# Altium PCB RobotDriverPCB.PcbDoc
Units mil, origin at the board's own origin, x right, y up, seen from the top; angles counter-clockwise.
Board outline 3385.83 x 2559.55 mil, 2 copper layers (Top Layer, Bottom Layer); 111 components, 95 nets, 397 pads, 60 vias.
Unrouted connection lines stored in the file: 77.
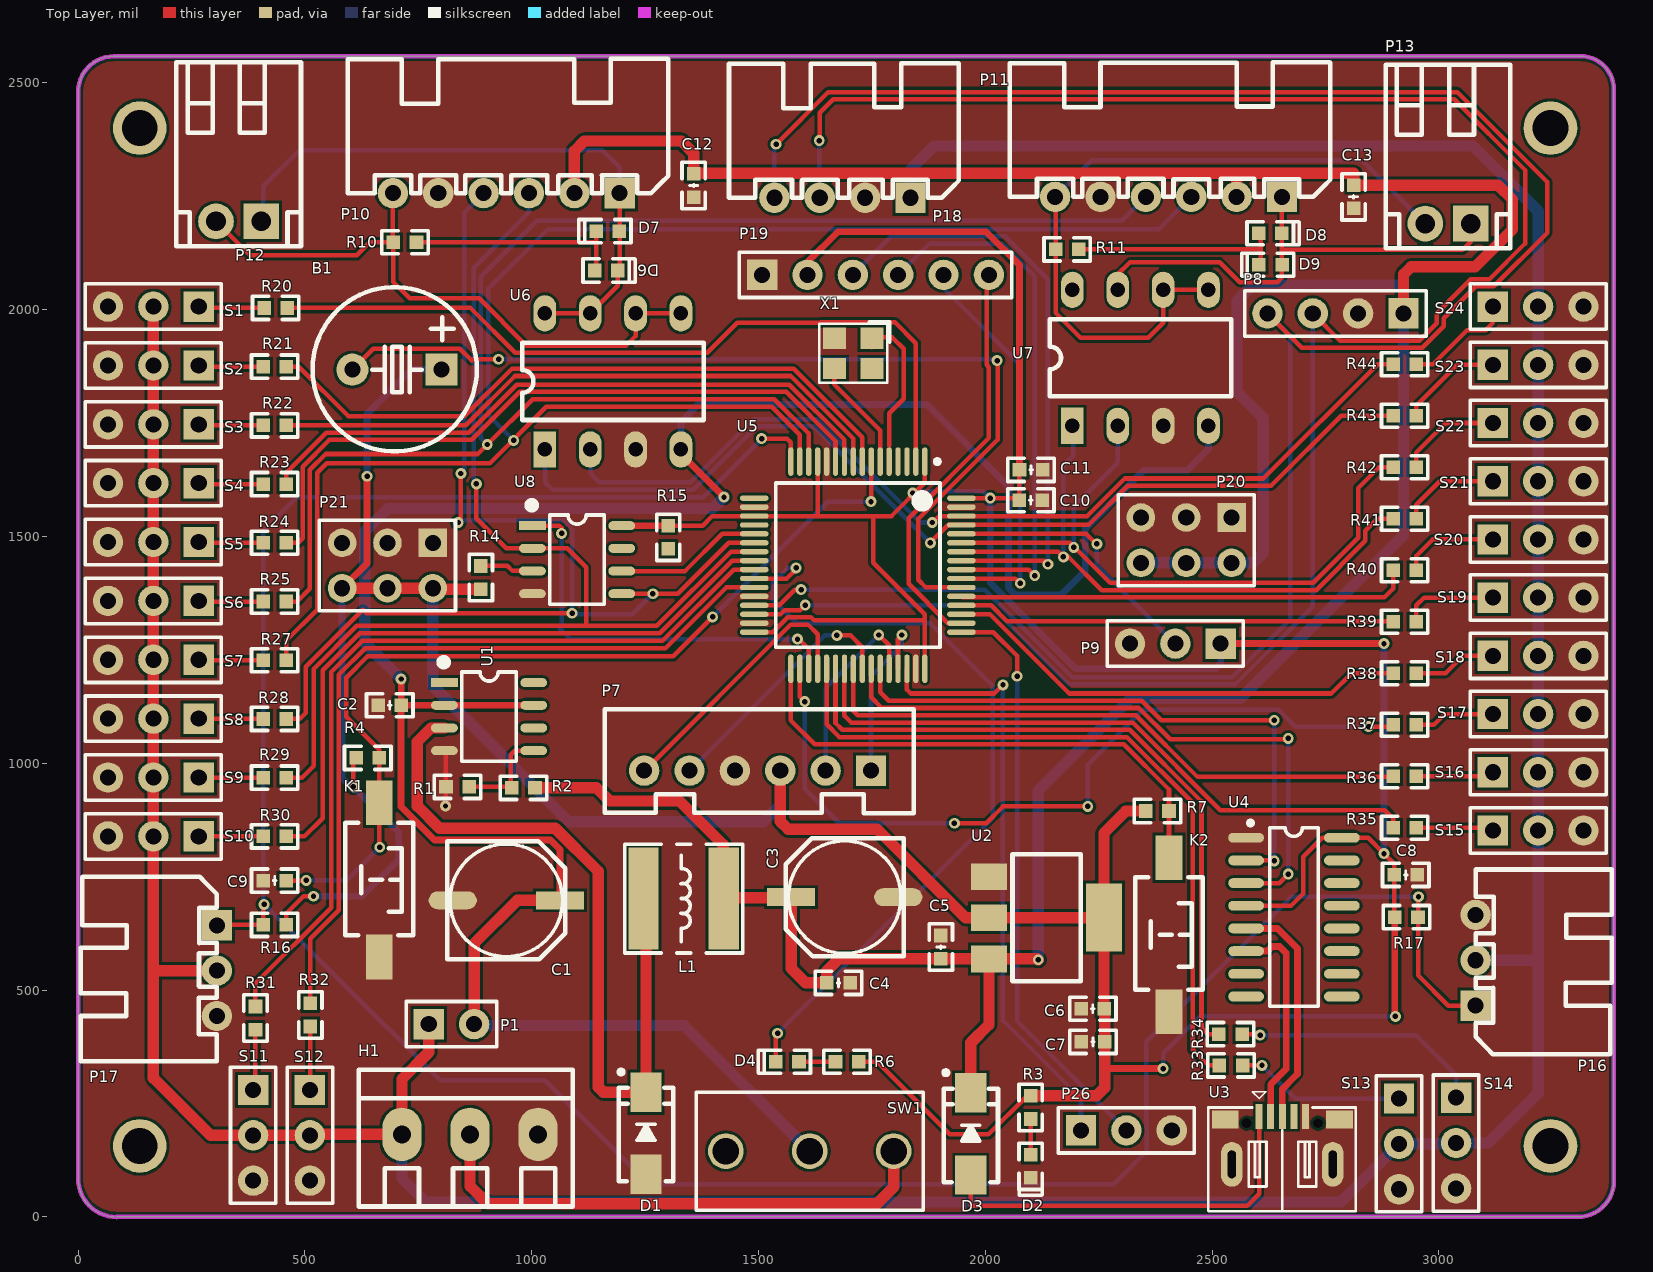
[diagram p0: Top Layer view]
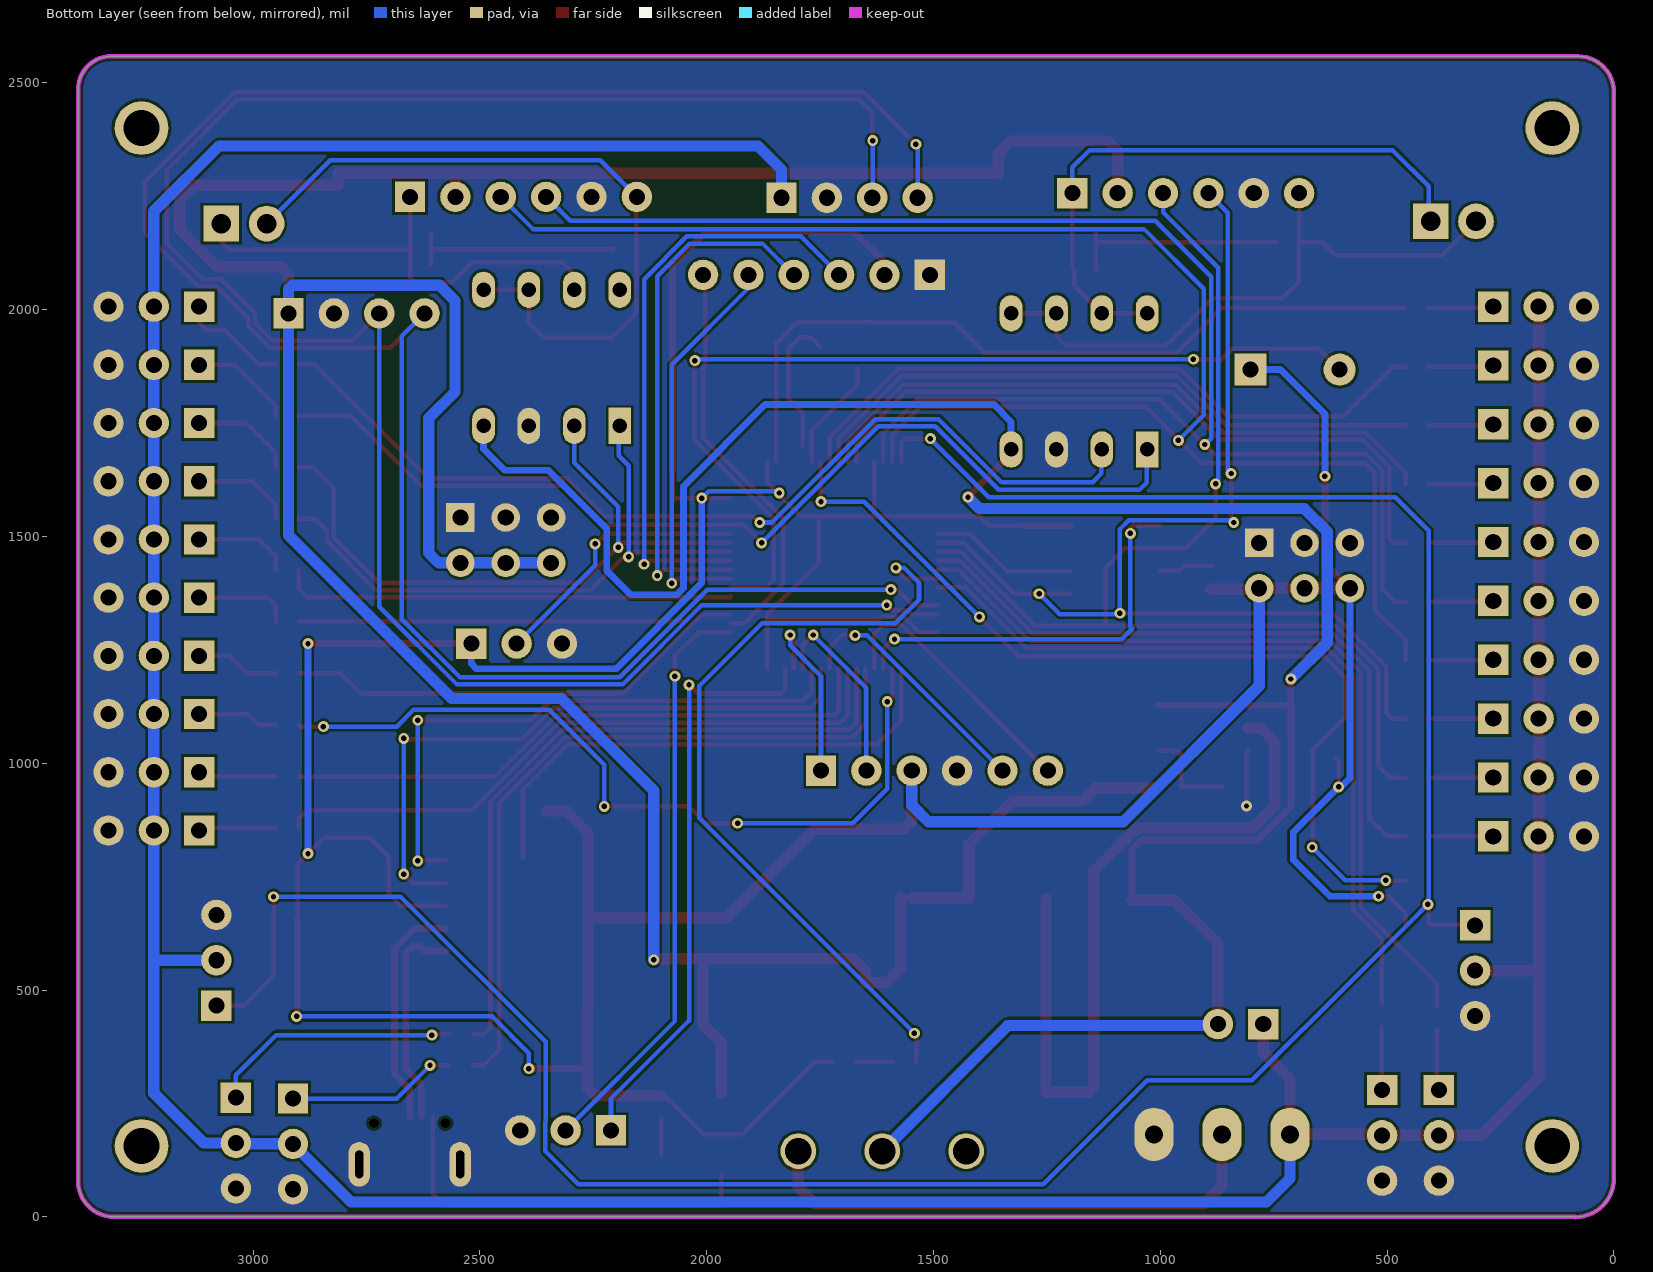
[diagram p1: Bottom Layer view, seen from below]

## Layer stack, top to bottom
Top Solder: solder mask 0.4, Solder Resist, Dk 3.5
Top Layer: signal copper 1.4
Dielectric 1: dielectric 12.6, FR-4, Dk 4.8
Bottom Layer: signal copper 1.4
Bottom Solder: solder mask 0.4, Solder Resist, Dk 3.5

## Board outline
0,84.74 0,2480.06 cw(c78.74,2480.06) 78.74,2558.8 78.74,2559.06 3312.17,2559.06 3312.17,2559.22 cw(c3312.17,2485.56) 3385.83,2485.56 3385.83,79 cw(c3307.09,79) 3307.09,0.26 3307.09,0 85.08,0 85.08,-0.34 cw(c85.08,84.74)

## Design rules (kind name [scope] priority, off if disabled: settings)
Clearance [All] p1: gap=6 ignorepadtopadclearanceinfootprint=FALSE except(0: Arc-Hole Track-Hole SMDPad-Hole THPad-Hole Via-Hole Fill-Hole Poly-Hole Region-Hole Text-Hole)
DiffPairsRouting [All] p1: maxlimit=10 minlimit=10 mostfreqgap=10 toplayer_minwidth=15 toplayer_maxwidth=15 toplayer_prefwidth=15 bottomlayer_minwidth=15 bottomlayer_maxwidth=15 bottomlayer_prefwidth=15 maxuncoupledlength=500
PlaneConnect [All] p1: planeconnectstyle=Direct reliefexpansion=20 reliefentries=4 reliefconductorwidth=10 reliefairgap=10
PolygonConnect [All] p1: connectstyle=Direct reliefconductorwidth=10 reliefentries=4 polygonreliefangle="90 Angle" airgapwidth=10
RoutingVias [All] p1: holewidth=12 width=24 viastyle="Through Hole" minholewidth=12 minwidth=24 maxholewidth=12 maxwidth=24
SolderMaskExpansion [All] p1: expansion=4
Width PWR [InNetClass('power')] p1: maxlimit=35 minlimit=10 preferedwidth=25
Width [All] p2: maxlimit=10 minlimit=10 preferedwidth=10
28 further rules are at their usual default settings.

## Classes and differential pairs
net class power: 3.3V 5V NetD1_2 NetH1_2 PWR VS
differential pair USB_CH340: +NetU3_3 -NetU3_2

## Components (designator, comment, footprint, x,y, rotation, side; value= is the part's Value field where it differs from the comment)
B1 "buzzer" "BEEP 5x9x5.5" 703,1868 r90 top
C1 "220uF_16V" "CM D(6.3*7.7)" 944,698 r0 top
C2 "104" "C 0603" 687,1128 r0 top
C3 "220uF_16V" "CM D(6.3*7.7)" 1690,705 r180 top
C4 "104" "C 0603" 1676.41,516 r180 top
C5 "104" "C 0603" 1902,595 r90 top
C6 "104" "C 0603" 2237,459 r180 top
C7 "104" "C 0603" 2237.41,386 r180 top
C8 "104" "C 0603" 2927,754 r0 top
C9 "100nF" "C 0603" 433.41,741.5 r180 top
C10 "10uF" "C 0603" 2100.41,1580 r0 top
C11 "100nF" "C 0603" 2101,1647 r0 top
C12 "0.1uF" "C 0603" 1357,2274 r270 top
C13 "0.1uF" "C 0603" 2812,2249 r270 top
D1 "SS34" SMA 1252,184.55 r90 top
D2 "LED" "LED 0603R" 2099.41,112.77 r270 top
D3 "SS34" SMA 1968,183 r90 top
D4 "LED" "LED 0603R" 1564.77,342.59 r180 top
D6 "LED" "LED 0603R" 1163,2086 r0 top
D7 "LED" "LED 0603R" 1169,2174 r180 top
D8 "LED" "LED 0603R" 2627,2168 r0 top
D9 "LED" "LED 0603R" 2630,2100 r180 top
H1 "header" KF128-3.81-3P 864,182 r0 top
K1 "key" "TSW SMD-3*6*4.3" 664,743 r270 top
K2 "key" "TSW SMD-3*6*4.3" 2405,622 r270 top
L1 "15uH" NR6045 1335,702 r0 top
P1 "header_1x2" HDR2.54-LI-2P 823,425 r0 top
P7 "PS2无线手柄" XH2.54-LI-6P 1498,984 r180 top
P8 "header_1x4" HDR2.54-LI-4P 2772,1992 r180 top
P9 "Header" HDR2.54-LI-3P 2419,1264 r180 top
P10 "XH2.54W_1X6" XH2.54-WI-6P 944,2257 r180 top
P11 "XH2.54W_1X6" XH2.54-WI-6P 2404,2249 r180 top
P12 "KF2.54_1x2" KF2EDGK-2.54-WI-2P 491.4,2545.31 r180 top
P13 "KF2.54_1x2" KF2EDGK-2.54-WI-2P 3157.4,2540.31 r180 top
P16 "Header" XH2.54-WI-3P 3081,566 r90 top
P17 "Header" XH2.54-WI-3P 306,543 r270 top
P18 "header_1x4" XH2.54-WI-4P 1685,2247 r180 top
P19 "header_1x6" HDR2.54-M-LI-6P 1758,2077 r0 top
P20 "Header2x3" HDR2.54-LI-2x3P 2443,1492 r180 top
P21 "Header2x3" HDR2.54-LI-2x3P 682,1436 r180 top
P26 "Head_1x3" HDR2.54-LI-3P 2311,191 r0 top
R1 "1K" 0603R 837.77,1013.59 r180 top
R2 "1K" 0603R 982.77,1011.59 r180 top
R3 "1K" 0603R 2034.41,242.77 r270 top
R4 "1K" 0603R 639.77,1077.59 r180 top
R6 "1K" 0603R 1696.59,407.59 r180 top
R7 "1K" 0603R 2378.23,829.41 r0 top
R10 "1K" 0603R 719.23,2083.41 r0 top
R11 "1K" 0603R 2179.41,2067.41 r0 top
R14 "1K" 0603R 953.59,1408.23 r90 top
R15 "1K" 0603R 1366.59,1497.23 r90 top
R16 "1K" 0603R 432.23,578.41 r0 top
R17 "1K" 0603R 2929.59,726.59 r180 top
R20 "1K" 0603R 434.41,1938.41 r0 top
R21 "1K" 0603R 432.23,1808.96 r0 top
R22 "1K" 0603R 432.23,1679.52 r0 top
R23 "1K" 0603R 432.23,1550.08 r0 top
R24 "1K" 0603R 432.23,1420.63 r0 top
R25 "1K" 0603R 432.23,1291.19 r0 top
R27 "1K" 0603R 432.23,1161.74 r0 top
R28 "1K" 0603R 432.23,1032.3 r0 top
R29 "1K" 0603R 432.23,902.85 r0 top
R30 "1K" 0603R 432.23,773.41 r0 top
R31 "1K" 0603R 456.59,437.23 r90 top
R32 "1K" 0603R 577.59,444.23 r90 top
R33 "1K" 0603R 2542.77,399.59 r180 top
R34 "1K" 0603R 2541.77,468.59 r180 top
R35 "1K" 0603R 2925.77,923.59 r180 top
R36 "1K" 0603R 2925.77,1037.15 r180 top
R37 "1K" 0603R 2925.77,1150.7 r180 top
R38 "1K" 0603R 2925.77,1264.26 r180 top
R39 "1K" 0603R 2925.77,1377.81 r180 top
R40 "1K" 0603R 2925.77,1491.37 r180 top
R41 "1K" 0603R 2925.77,1604.92 r180 top
R42 "1K" 0603R 2925.77,1718.48 r180 top
R43 "1K" 0603R 2925.77,1832.03 r180 top
R44 "1K" 0603R 2925.77,1945.59 r180 top
S1 "Header" HDR2.54-LI-3P 166,2007 r180 top
S2 "Header" HDR2.54-LI-3P 166,1877.22 r180 top
S3 "Header" HDR2.54-LI-3P 166,1747.44 r180 top
S4 "Header" HDR2.54-LI-3P 166,1617.67 r180 top
S5 "Header" HDR2.54-LI-3P 166,1487.89 r180 top
S6 "Header" HDR2.54-LI-3P 166,1358.11 r180 top
S7 "Header" HDR2.54-LI-3P 166,1228.33 r180 top
S8 "Header" HDR2.54-LI-3P 166,1098.56 r180 top
S9 "Header" HDR2.54-LI-3P 166,968.78 r180 top
S10 "Header" HDR2.54-LI-3P 166,839 r180 top
S11 "Header" HDR2.54-LI-3P 386,180 r270 top
S12 "Header" HDR2.54-LI-3P 511,180 r270 top
S13 "Header" HDR2.54-LI-3P 2912,161 r270 top
S14 "Header" HDR2.54-LI-3P 3038,163 r270 top
S15 "Header" HDR2.54-LI-3P 3218.94,852 r0 top
S16 "Header" HDR2.54-LI-3P 3218.94,980.33 r0 top
S17 "Header" HDR2.54-LI-3P 3218.94,1108.67 r0 top
S18 "Header" HDR2.54-LI-3P 3218.94,1237 r0 top
S19 "Header" HDR2.54-LI-3P 3218.94,1365.33 r0 top
S20 "Header" HDR2.54-LI-3P 3218.94,1493.67 r0 top
S21 "Header" HDR2.54-LI-3P 3218.94,1622 r0 top
S22 "Header" HDR2.54-LI-3P 3218.94,1750.33 r0 top
S23 "Header" HDR2.54-LI-3P 3218.94,1878.67 r0 top
S24 "Header" HDR2.54-LI-3P 3218.94,2007 r0 top
SW1 "Switch" SS12D10 1862.96,274.92 r180 top
U1 "TD1583" SOP8 906,1103 r0 top
U2 "AMS1117-3.3" SOT-223 2138,662 r270 top
U3 "microUSB" USB-MICRO_B 2654.78,116.22 r0 top
U4 "CH340C" SOP16 2680,661 r0 top
U5 "STM32f103RCT6" LQFP_64 1719,1437 r270 top
U6 "RZ7886" DIP8 1029,1692 r90 top
U7 "RZ7886" DIP8 2192,1744 r90 top
U8 "GD25Q80" SOP8 1100,1449 r0 top
X1 "8Mhz" "OSC 3225-4P" 1709,1904 r180 top

## Footprints (in the part's own frame and the unit in brackets; to place one, negate y for a bottom-side part, rotate by r counter-clockwise, add the part's x,y. Pads: shape width x height; smd on the part's side, far side on the other; paste and mask are expansions set on the pad)
0603R [mil]
  rect 30x30 smd: 1(-24.41,65.59) 2(26.77,65.59)
  silkscreen extent -50,40 52,91, body extent -31,49 32,81, height 18
"BEEP 5x9x5.5" [mm] "5*9*5.5mm(脚距,直径,高度)"
  rect 1.8x1.8 hole 0.9: 1(0,-2.5)
  round 1.8 hole 0.9: 2(0,2.5)
  silkscreen extent -4.57,-4.47 4.62,4.73, body extent -4.57,-5.01 4.43,3.99, height 5.45
"C 0603" [mil] "无极性贴片电容"
  rect 30x30 smd: 1(-25.59,0) 2(25.59,0)
  silkscreen extent -51,-26 51,26, body extent -31,-16 31,16, height 32
"CM D(6.3*7.7)" [mm] "贴片电解电容，直径6.3mm，高7.7mm  黑色部分为负极(2号管脚)"
  rect 2.7x1 smd: 1(3,0)
  oval 2.7x1 smd: 2(-3,0)
  silkscreen extent -3.3,-3.3 3.3,3.3, body extent -3.5,-3.3 3.5,3.3, height 7.7
DIP8 [mil] "8脚300mil直插集成电路（蒜米工坊）"
  rect 80x50 hole 32: 1(0,0)
  oval 80x50 hole 32: 2(0,-100) 3(0,-200) 4(0,-300) 5(300,-300) 6(300,-200) 7(300,-100) 8(300,0)
  silkscreen extent 65,-350 235,50, body extent -3,-363 303,63, height 177
HDR2.54-LI-2P [mm] "排针，2脚"
  rect 1.7x1.7 hole 0.9: 1(-1.27,0)
  round 1.7 hole 0.9: 2(1.27,0)
  silkscreen extent -2.54,-1.27 2.54,1.27, body extent -2.54,-1.27 2.54,1.27, height 8.5
HDR2.54-LI-2x3P [mm] "双排排针，3x2脚"
  rect 1.6x1.6 hole 0.9: 1(-2.54,-1.27)
  round 1.6 hole 0.9: 2(0,-1.27) 3(2.54,-1.27) 4(-2.54,1.27) 5(0,1.27) 6(2.54,1.27)
  silkscreen extent -3.81,-2.54 3.81,2.54, body extent -3.81,-2.54 3.81,2.54, height 8.5
HDR2.54-LI-3P [mm] "排针，3脚"
  rect 1.7x1.7 hole 0.9: 1(-2.54,0)
  round 1.7 hole 0.9: 2(0,0) 3(2.54,0)
  silkscreen extent -3.81,-1.27 3.81,1.27, body extent -3.81,-1.27 3.81,1.27, height 8.5
HDR2.54-LI-4P [mm] "排针，4脚"
  rect 1.7x1.7 hole 0.9: 1(-3.81,0)
  round 1.7 hole 0.9: 2(-1.27,0) 3(1.27,0) 4(3.81,0)
  silkscreen extent -5.08,-1.27 5.08,1.27, body extent -5.08,-1.27 5.08,1.27, height 8.5
HDR2.54-M-LI-6P [mm] "排母，6脚"
  rect 1.7x1.7 hole 0.9: 1(-6.35,0)
  round 1.7 hole 0.9: 2(-3.81,0) 3(-1.27,0) 4(1.27,0) 5(3.81,0) 6(6.35,0)
  silkscreen extent -7.62,-1.27 7.62,1.27, body extent -7.62,-1.27 7.62,1.27, height 8.5
KF2EDGK-2.54-WI-2P [mm] "长：6.93mm，宽：10.1mm，高：8.1mm"
  rect 2x2 hole 1.1: 1(2.22,8.898)
  round 2 hole 1.1: 2(4.76,8.898)
  silkscreen extent 0,0 6.98,10.28, body extent 0,0 6.98,10.1, height 8.15
KF128-3.81-3P [mm] "螺钉式接线端子，脚距3.81mm"
  oval 2.2x3 hole 1: 1(-3.81,0) 2(0,0) 3(3.81,0)
  silkscreen extent -6.22,-4.04 5.74,3.63, body extent -6.21,-3.9 5.72,3.5, height 8.55
"LED 0603R" [mil] "红色0603LED"
  rect 30x30 smd: 1(-24.41,0.59) 2(26.77,0.59)
  silkscreen extent -50,-25 65,26, body extent -31,-16 31,16, height 18
LQFP_64 [mm] "LQFP, 64-Leads, Body 10.00x10.00mm, Pitch 0.50mm"
  oval 1.6x0.3 smd: 1(-5.8,3.75) 2(-5.8,3.25) 3(-5.8,2.75) 4(-5.8,2.25) 5(-5.8,1.75) 6(-5.8,1.25) 7(-5.8,0.75) 8(-5.8,0.25) 9(-5.8,-0.25) 10(-5.8,-0.75) 11(-5.8,-1.25) 12(-5.8,-1.75) 13(-5.8,-2.25) 14(-5.8,-2.75) 15(-5.8,-3.25) 16(-5.8,-3.75) 33(5.8,-3.75) 34(5.8,-3.25) 35(5.8,-2.75) 36(5.8,-2.25) 37(5.8,-1.75) 38(5.8,-1.25) 39(5.8,-0.75) 40(5.8,-0.25) 41(5.8,0.25) 42(5.8,0.75) 43(5.8,1.25) 44(5.8,1.75) 45(5.8,2.25) 46(5.8,2.75) 47(5.8,3.25) 48(5.8,3.75)
  oval 0.3x1.6 smd: 17(-3.75,-5.8) 18(-3.25,-5.8) 19(-2.75,-5.8) 20(-2.25,-5.8) 21(-1.75,-5.8) 22(-1.25,-5.8) 23(-0.75,-5.8) 24(-0.25,-5.8) 25(0.25,-5.8) 26(0.75,-5.8) 27(1.25,-5.8) 28(1.75,-5.8) 29(2.25,-5.8) 30(2.75,-5.8) 31(3.25,-5.8) 32(3.75,-5.8) 49(3.75,5.8) 50(3.25,5.8) 51(2.75,5.8) 52(2.25,5.8) 53(1.75,5.8) 54(1.25,5.8) 55(0.75,5.8) 56(0.25,5.8) 57(-0.25,5.8) 58(-0.75,5.8) 59(-1.25,5.8) 60(-1.75,5.8) 61(-2.25,5.8) 62(-2.75,5.8) 63(-3.25,5.8) 64(-3.75,5.8)
  silkscreen extent -5.92,-4.6 4.6,4.6, body extent -6,-6 6,6, height 1.6
NR6045 [mm] "6.0mm*6.0mm*4.5mm(长*宽*高）"
  rect 1.7x5.7 smd: 1(-2.25,0) 2(2.25,0)
  silkscreen extent -3.3,-3.05 3.3,3.05, body extent -3,-3 3,3, height 4.6
"OSC 3225-4P" [mm] "3.2*2.5*0.7mm(长宽高)"
  rect 1.3x1.2 smd: 1(-1.05,-0.85) 2(1.05,-0.85) 3(1.05,0.85) 4(-1.05,0.85)
  silkscreen extent -2.03,-1.75 1.91,1.65, body extent -1.6,-1.25 1.6,1.25, height 0.7
SMA [mm] "4.5x2.6*2.2mm（长宽高，不包括引脚）"
  rect 2.2x1.75 smd: 1(-2.3,0) 2(2.3,0)
  silkscreen extent -2.7,-1.52 3.56,1.52, body extent -2.53,-1.3 2.58,1.3, height 2.15
SOP8 [mm] "5*6*1.8mm（长宽高）"
  rect 1.5x0.5 smd: 1(-2.5,1.905)
  oval 1.5x0.5 smd: 2(-2.5,0.635) 3(-2.5,-0.635) 4(-2.5,-1.905) 5(2.5,-1.905) 6(2.5,-0.635) 7(2.5,0.635) 8(2.5,1.905)
  silkscreen extent -2.69,-2.5 1.52,3.2, body extent -3,-2.5 3,2.5, height 1.9
SOP16 [mm] "（蒜米工坊）"
  oval 2x0.55 smd: 1(-2.667,4.445) 2(-2.667,3.175) 3(-2.667,1.905) 4(-2.667,0.635) 5(-2.667,-0.635) 6(-2.667,-1.905) 7(-2.667,-3.175) 8(-2.667,-4.445) 9(2.692,-4.445) 10(2.692,-3.175) 11(2.692,-1.905) 12(2.692,-0.635) 13(2.692,0.635) 14(2.692,1.905) 15(2.692,3.175) 16(2.692,4.445)
  silkscreen extent -2.55,-5 1.37,5.39, body extent -2.92,-4.99 2.98,4.99, height 1.45
SOT-223 [mil]
  rect 59x79 smd: 1(-88,-130) 2(2.55,-130) 3(93.1,-130)
  rect 150x79 smd: 2(1.88,123.54)
  silkscreen extent -137,-78 143,72, body extent -126,-139 130,135, height 67
SS12D10 [mm]
  round 2 hole 1.5 unplated: 1(1.649,3.3) 2(6.349,3.3) 3(11.049,3.3)
  silkscreen extent 0,0 12.7,6.6
"TSW SMD-3*6*4.3" [mm] "3*6*4.3mm"
  rect 2.5x1.5 smd: 1(-4.318,0) 2(4.318,0)
  silkscreen extent -3.21,-1.9 3.09,1.9, body extent -4.6,-1.75 4.6,1.75, height 4.4
USB-MICRO_B [mm] "micro型USB ，5.9*8.2*2.5mm"
  round 0 hole 0.55 unplated: 0(-2,2.294) 0(2,2.294)
  rect 0.394x1.4 smd: 1(-1.295,2.667) 2(-0.648,2.667) 3(0,2.667) 4(0.648,2.667) 5(1.295,2.667)
  rect 1.5x1 smd: 5(-3.2,2.5) 5(3.2,2.5)
  oval 1.2x2.5 hole 0.45 slot 1.55 at 90 deg: 5(-2.825,-0.006) 5(2.825,-0.006)
  silkscreen extent -4.14,-2.63 4.11,4.06, body extent -4,-2.72 4,2.88, height 2.8
XH2.54-LI-6P [mm] "接插件，6P"
  rect 1.7x1.7 hole 0.9: 1(-6.35,0)
  round 1.7 hole 0.9: 2(-3.81,0) 3(-1.27,0) 4(1.27,0) 5(3.81,0) 6(6.35,0)
  silkscreen extent -8.74,-3.43 8.56,2.39, body extent -8.85,-3.3 8.85,2.4, height 7.03
XH2.54-WI-3P [mm] "接插件，3P"
  rect 1.7x1.7 hole 0.9: 1(-2.54,0)
  round 1.7 hole 0.9: 2(0,0) 3(2.54,0)
  silkscreen extent -5.26,-7.62 5.08,0, body extent -5.04,-7.35 5.04,0.35, height 5.73
XH2.54-WI-4P [mm] "接插件，4P"
  rect 1.7x1.7 hole 0.9: 1(-3.81,0)
  round 1.7 hole 0.9: 2(-1.27,0) 3(1.27,0) 4(3.81,0)
  silkscreen extent -6.53,-7.53 6.35,0, body extent -6.31,-7.35 6.31,0.35, height 5.73
XH2.54-WI-6P [mm] "接插件，6P"
  rect 1.7x1.7 hole 0.9: 1(-6.35,0)
  round 1.7 hole 0.9: 2(-3.81,0) 3(-1.27,0) 4(1.27,0) 5(3.81,0) 6(6.35,0)
  silkscreen extent -9.07,-7.53 8.89,0, body extent -8.85,-7.35 8.85,0.35, height 5.75

## Part data
C1 C3: library part CAP_220uF_16V
C2 C4 C5 C6 C7 C8 C9 C10 C11 C12 C13: library part C_0603
H1: library part PowerHead
L1: library part L_6045
P7: library part xh2.54_1x6
P9 P16 P17 S1 S2 S3 S4 S5 S6 S7 S8 S9 S10 S11 S12 S13 S14 S15 S16 S17 S18 S19 S20 S21 S22 S23 S24: library part header_1x3
R1 R2 R3 R4 R6 R7 R10 R11 R14 R15 R16 R17 R20 R21 R22 R23 R24 R25 R27 R28 R29 R30 R31 R32 R33 R34 R35 R36 R37 R38 R39 R40 R41 R42 R43 R44: library part R_0603
SW1: library part SS12D10
U3: library part MicroUSB_B
U8: library part flash
X1: library part XTAL

## Free pads (board coordinates)
  round 118.11 hole 78.74: 1(135.8,156.48) 2(135.8,2400.57) 2(3246.03,2400.57) 4(3246.03,156.48)

## Via types
v1: diameter 24, hole 12, Top Layer to Bottom Layer, 60 vias

## Nets (pads, with @x,y where several pads share a name; then routed paths per layer and width w, separated by ;. In a path a pad name is that pad's centre, name@x,y a point inside that pad or via, vN(x,y) a via of type N, cw(c..) or ccw(c..) an arc to the next point about the centre after c; other vN are vias at no path point)
3.3V: B1.1 C6.1 C7.1 C8.1 C10.1 C11.1 P7.3 P9.1 P19.2 P21.4 P21.5 P21.6 R3.1 R4.2 R6.1 R7.1 R14.1 R15.2 R16.2 R17.2 U2.2 U4.4 U4.16 U5.1 U5.13 U5.19 U5.32 U5.48 U5.64 U8.8 | length 11574
  Top Layer w10: R16.2 459,669 497,707 v1(519,707) ; v1(607,948) 607,1006 R4.2 ; R15.2 1377,1524 1398.27,1545.27 U5.19 1627,1545.27 ; U5.32 1531.73,1289.36 1564.37,1322 1615.63,1322 1622.63,1315 1866.64,1315 ; U5.13 1630.42,1548.69 1627,1545.27 ; R6.1 1762,342 1922,182 2007,182 2092.18,267.18 R3.1 ; U5.48 1866.64,1315 ; U5.1 1866.64,1618.64 1793.27,1545.27 1753,1545.27 ; U5.64 v1(2011,1584.64) 2070.18,1584.64 C10.1 2074.82,1646.41 C11.1 ; U4.4 2674,686 2701,713 2701,794 2743,836 U4.16 2844,836 v1(2879,801) 2901.41,778.59 C8.1 R17.2@2901.41,665.59 ; 1627,1545.27 1753,1545.27 ; 1753,1545.27 1753,1442 1866.64,1328.36 1866.64,1315
  Top Layer w15: P21.6 637,1441 637,1512.63 v1(637,1633) ; U8.8 R15.2 ; P19.2 1608,2105 1675,2172 2002,2172 2075.41,2098.59 C11.1 ; 2263,327 v1(2392,327) ; P9.1 2526,1257 2536,1267 2539,1264 v1(2879,1264) ; R17.2 2902.82,443.18 v1(2904,442)
  Top Layer w25: P21.6 P21.5 P21.4 ; P21.4@791,1384 R14.1@889,1384 ; P7.3 1548,872 1565,855 1761,855 1956.55,659.45 2008,659.45 2260.88,659.45 U2.2@2261.54,660.12 ; R3.1 2245.18,267.18 2263,285 2263,327 C7.1 2263,458.6 C6.1 2261.54,460.05 U2.2@2261.54,660.12 ; R7.1 2310,895 2261.54,846.54 U2.2@2261.54,660.12
  Bottom Layer w10: v1(1840,1596) 1844,1600 1995.64,1600 v1(2011,1584.64) ; v1(2392,327) 2392,361 2473,442 v1(2904,442)
  Bottom Layer w15: v1(519,707) 626,707 707,788 707,848 v1(607,948) 602,948 582,968 P21.6 ; v1(637,1633) 637,1770 735,1868 B1.1 ; v1(2011,1584.64) 2011,1397.24 2199.74,1208.5 2507.5,1208.5 2519,1220 P9.1 ; v1(2879,801) v1(2879,1264)
  Bottom Layer w25: P21.4 782,1171.18 1082.18,871 1511,871 1548,908 P7.3
5V: C3.1 C4.2 C5.1 C12.1 C13.1 D3.2 L1.2 P8.1 P10.2 P11.2 P20.4 P20.5 P20.6 R2.1 U2.3 | length 7719.2
  Top Layer w25: R2.1 1143,946 1172,917 1326,917 1422,821 1422,704 1545.89,704 C3.1@1546.89,703 ; P10.2 1094,2350 1116,2372 1330,2372 1357,2345 C12.1@1357,2300.96 ; C12.1 C12.1@1357,2300.96 ; C3.1 1571.89,548.11 1604,516 C4.2 1650.82,542.82 1677.41,569.41 C5.1 2007.49,569.41 U2.3 ; D3.2 1968,384 2008,424 U2.3 ; v1(2116.8,567) 2114.9,568.9 U2.3 ; P11.2 2554,2300.96 C12.1@1357,2300.96 ; 2558,2301 2812,2301 C13.1 3130.41,2274.59 3162,2243 3162,2177 3079.5,2094.5 2938.5,2094.5 2922,2078 P8.1
  Bottom Layer w25: v1(2116.8,567) 2116.8,939.8 2320,1143 2562,1143 2922,1503 P8.1 2922,2045 2913,2054 2589,2054 2555,2020 2555,1819 2613,1761 2613,1464 2591,1442 P20.4 P20.5 P20.6
BOOT0: P9.2 U5.60 | length 599.4
  Top Layer w10: U5.60 2222.1,1505.9 2244,1484 v1(2246,1484)
  Bottom Layer w10: v1(2246,1484) 2246,1437 P9.2
GND: C1.2 C2.1 C3.2 C4.1 C5.2 C6.2 C7.2 C8.2 C9.2 C10.2 C11.2 C12.2 C13.2 D1.1 D2.2 H1.3 K1.2 K2.2 P7.4 P8.2 P9.3 P10.5 P11.5 P16.3 P17.3 P18.2 P19.1 P20.1 P20.2 P20.3 P21.1 P21.2 P21.3 P26.3 R1.2 S1.3 S2.3 S3.3 S4.3 S5.3 S6.3 S7.3 S8.3 S9.3 S10.3 S11.3 S12.3 S13.3 S14.3 S15.3 S16.3 S17.3 S18.3 S19.3 S20.3 S21.3 S22.3 S23.3 S24.3 U1.4 U2.1 U3.5 U4.1 U5.12 U5.18 U5.28 U5.31 U5.47 U5.63 U6.3 U7.3 U8.4 X1.2 | length 123.8
  Top Layer w10: U1.4 811,1024.57 R1.2 811,907 v1(810,906)
NetD1_2: D1.2 L1.1 U1.3 | length 1685.1
  Top Layer w25: U1.3 778,1078 748,1048 748,905.77 796.77,857 1051.77,857 1147,761.77 1147,286 1157.9,275.1 D1.2 L1.1@1252,702
NetD2_1: D2.1 R3.2 | length 78.8
  Top Layer w10: D2.1 R3.2
NetD3_1: D3.1 U3.1 | length 884.3
  Top Layer w10: D3.1 1968,25 2578,25 2603.78,50.78 U3.1
NetD4_1: D4.1 R6.2 | length 80.6
  Top Layer w10: D4.1 R6.2
NetD6_1: D6.1 D7.2 R10.2 | length 485.6
  Top Layer w10: R10.2 1142.23,2149 ; D6.1 1142.23,2090.23 1142.23,2149 ; D7.2 1142.23,2149.77 1143,2149 1142.23,2149
NetD8_1: D8.1 D9.2 R11.2 | length 471.1
  Top Layer w10: R11.2 2607.59,2133 ; D8.1@2607.59,2169.59 2607.59,2133 ; D9.2@2607.82,2100 2607.59,2100.23 2607.59,2133
NetH1_2: H1.2 SW1.1 | length 1158.5
  Top Layer w25: H1.2 864,68 903,29 1761,29 1798.04,66.04 SW1.1
NetR1_1: R1.1 R2.2 U1.5 | length 217
  Top Layer w10: R1.1 954,948 954,1019 963,1028 U1.5
NetR14_2: R14.2 U8.3 | length 121.5
  Top Layer w10: R14.2@885,1436 946,1436 957.82,1424.18 1001.39,1424.18 U8.3
NetR15_1: R15.1 U8.7
NetR20_1: R20.1 S1.1 | length 145.2
  Top Layer w10: S1.1 269,2004 R20.1
NetR21_1: R21.1 S2.1 | length 142.9
  Top Layer w10: S2.1 268.67,1874.56 R21.1
NetR22_1: R22.1 S3.1 | length 142.8
  Top Layer w10: S3.1 268.33,1745.11 R22.1
NetR23_1: R23.1 S4.1 | length 142.6
  Top Layer w10: S4.1 268,1615.67 R23.1
NetR24_1: R24.1 S5.1 | length 142.5
  Top Layer w10: S5.1 267.67,1486.22 R24.1
NetR25_1: R25.1 S6.1 | length 142.4
  Top Layer w10: S6.1 267.33,1356.78 R25.1
NetR27_1: R27.1 S7.1 | length 142.2
  Top Layer w10: S7.1 267,1227.33 R27.1
NetR28_1: R28.1 S8.1 | length 142.1
  Top Layer w10: S8.1 266.67,1097.89 R28.1
NetR29_1: R29.1 S9.1 | length 142
  Top Layer w10: S9.1 266.33,968.44 R29.1
NetR30_1: R30.1 S10.1 | length 141.8
  Top Layer w10: S10.1 R30.1
NetR31_1: R31.1 S11.1 | length 134.9
  Top Layer w10: S11.1 391,285 R31.1
NetR32_1: R32.1 S12.1 | length 140.2
  Top Layer w10: S12.1 512,281 R32.1
NetR33_1: R33.1 S13.1 | length 375.1
  Top Layer w10: R33.1 v1(2610,334)
  Bottom Layer w10: v1(2610,334) 2683,261 S13.1
NetR34_1: R34.1 S14.1 | length 558.5
  Top Layer w10: R34.1 2604,403 v1(2606,401)
  Bottom Layer w10: v1(2606,401) 2949,401 3038,312 S14.1
NetR35_1: R35.1 S15.1 | length 171.2
  Top Layer w10: R35.1 3112.94,858 S15.1
NetR36_1: R36.1 S16.1 | length 172.4
  Top Layer w10: R36.1 3110.16,971.56 S16.1
NetR37_1: R37.1 S17.1 | length 178.5
  Top Layer w10: R37.1 2989.11,1085.11 3012.67,1108.67 S17.1
NetR38_1: R38.1 S18.1 | length 184.6
  Top Layer w10: R38.1 3014.67,1198.67 3053,1237 S18.1
NetR39_1: R39.1 S19.1 | length 211.8
  Top Layer w10: R39.1 2950.18,1348.18 2967.33,1365.33 S19.1
NetR40_1: R40.1 S20.1 | length 215.3
  Top Layer w10: R40.1 2950.18,1457.18 2986.67,1493.67 S20.1
NetR41_1: R41.1 S21.1 | length 221.1
  Top Layer w10: R41.1 2950.18,1570.18 3002,1622 S21.1
NetR42_1: R42.1 S22.1 | length 228
  Top Layer w10: R42.1 2950.18,1685.18 3015.33,1750.33 S22.1
NetR43_1: R43.1 S23.1 | length 228
  Top Layer w10: R43.1 2950.18,1788.18 3040.67,1878.67 S23.1
NetR44_1: R44.1 S24.1 | length 242.5
  Top Layer w10: R44.1 2987,1880 3062,1955 3103,1955 3118.94,1970.94 S24.1
NetU3_2: U3.2 U4.6 | length 473
  Top Layer w15: U4.6 2621.87,586 2631.87,596 2649,596 2663.32,581.68 2663.32,325.68 2629.28,291.63 U3.2
NetU3_3: U3.3 U4.5 | length 516.2
  Top Layer w15: U4.5 2644.36,636 2681,599.36 2688.32,592.03 2688.32,315.32 2681,308 2654.78,281.78 U3.3
OSCIN: U5.5 X1.1 | length 316.9
  Top Layer w10: X1.1@1749.34,1917.46 1770.87,1939 1795,1939 1820,1914 1820,1804 1787.9,1771.9 1787.9,1700.35
OSCOUT: U5.6 X1.3 | length 247.3
  Top Layer w10: X1.3@1666.66,1870.54 1666.66,1835.34 1768.21,1733.79 U5.6
PA0: P11.4 R25.2 U5.14 | length 3498.2
  Top Layer w10: R25.2 482.78,1356.78 511,1385 511,1647.37 545.63,1682 881,1682 v1(902,1703) 1002,1803 1535,1803 1610.73,1727.27 U5.14
  Bottom Layer w10: v1(902,1703) 888,1717 888,2073 1011,2196 2301,2196 P11.4
PA1: P11.3 R27.2 U5.15 | length 3641.6
  Top Layer w10: R27.2 459,1271 527,1339 527,1640.75 548.25,1662 908,1662 1032,1786 1529.37,1786 1591.05,1724.33 U5.15
  Bottom Layer w10: v1(960,1712) 904,1768 904,2046 1036,2178 2383,2178 P11.3
PA4: U5.20
PA6: P10.4 R28.2 U5.22 U8.5 | length 2528.8
  Top Layer w10: R28.2 488.89,1097.89 502,1111 502,1213.25 627.75,1339 635.75,1331 v1(1089,1331) ; v1(838,1531) 844,1537 v1(844,1639) ; U8.5 v1(1267,1374) 1322,1374 1434.21,1486.21 U5.22
  Bottom Layer w10: v1(838,1531) 843,1536 1069.53,1536 1089,1516.53 v1@1089,1340 ; v1(844,1639) 851,1646 851,2214 P10.4 ; v1(1089,1331) v1@1089,1340 ; v1(1267,1374) 1222,1329 1100,1329 v1@1089,1340
PA7: P10.3 R29.2 U5.23 U8.2 | length 2548.9
  Top Layer w10: R29.2 493.44,968.44 520,995 520,1208.63 614.37,1303 1120,1303 ; v1(878,1616) 878,1540 944,1474 U8.2 1078,1474 1120,1432 1120,1303 ; U5.23 1439.53,1466.53 1276,1303 1120,1303
  Bottom Layer w10: v1(878,1616) 872,1622 872,2093 994,2215 P10.3
PA8: P7.5 U5.41 | length 562.5
  Top Layer w10: v1(1673,1282) 1703,1282 1728.84,1256.16 U5.41
  Bottom Layer w10: P7.5 1646,1282 v1(1673,1282)
PA9: U4.3 U5.42 | length 1422.1
  Top Layer w10: U5.42 1748.53,1145.47 1772,1122 2338.63,1122 2407.63,1053 2666,1053 v1(2668,1055) ; U4.3 2648,736 v1(2668,756)
  Bottom Layer w10: v1(2668,756) v1(2668,1055)
PA10: U4.2 U5.43 | length 1328.2
  Top Layer w10: U5.43 1768.21,1156.79 1787,1138 2345.25,1138 2388.25,1095 v1(2637,1095) ; U4.2 v1@2637,786 ; v1@2627,785 v1(2637,785)
  Bottom Layer w10: v1(2637,785) v1(2637,1095)
PA11: P7.2 U5.44 | length 431.3
  Top Layer w10: v1(1765,1283) 1787.9,1260.1 U5.44
  Bottom Layer w10: P7.2 1648,1166 v1(1765,1283)
PA12: P7.1 U5.45 | length 405
  Top Layer w10: U5.45 1807.58,1274.58 v1(1816,1283)
  Bottom Layer w10: P7.1 1748,1192 1816,1260 v1(1816,1283)
PA13: P26.1 U5.46 | length 1322.4
  Top Layer w10: U5.46 1827.27,1162.73 1836,1154 2020,1154 v1(2039,1173)
  Bottom Layer w10: v1(2039,1173) 2039,433 2211,261 P26.1
PA14: P26.2 U5.49 | length 1290.2
  Top Layer w10: U5.49 2017.64,1289.36 2070,1237 v1(2070,1192)
  Bottom Layer w10: v1(2070,1192) 2070,432 P26.2
PA15: P19.6 U5.50 | length 911.1
  Top Layer w10: U5.50 1917.53,1309.05 1831,1395.58 1831,1540.42 2008,1717.42 2008,1873.47 2003,1878.47 2003,2072 P19.6
PB0: D4.2 U5.26 | length 1795.2
  Top Layer w10: U5.26 1562.47,1407.47 1583,1428 v1(1583,1431) ; D4.2 1538,401 v1(1542,405)
  Bottom Layer w10: v1(1542,405) 2016,879 2016,1171 1878,1309 1584,1309 1532,1361 1532,1398 1565,1431 v1(1583,1431)
PB1: R32.2 U5.27 | length 1746
  Top Layer w10: R32.2 512,613.37 575,676.37 575,1195.75 633.25,1254 1294.88,1254 1428.67,1387.79 U5.27
PB3: P19.5 U5.55 | length 884
  Top Layer w10: U5.55 2066.53,1407.47 v1(2077,1397)
  Bottom Layer w10: P19.5 1908,2048 2077,1879 v1(2077,1397)
PB4: P19.4 U5.56 | length 1186.5
  Top Layer w10: U5.56 2095.84,1427.16 v1(2109,1414)
  Bottom Layer w10: P19.4 1877,2146 2037,2146 2109,2074 v1(2109,1414)
PB5: P19.3 U5.57 | length 1326.8
  Top Layer w10: U5.57 2130.16,1446.84 v1(2138,1439)
  Bottom Layer w10: P19.3 1793,2162 2043.63,2162 2138,2067.63 v1(2138,1439)
PB6: R41.2 U5.58 U7.1 | length 1375.8
  Top Layer w10: U5.58 2160.47,1466.53 v1(2172,1455) 2183.47,1455 2256.47,1382 2729.63,1382 2838,1490.37 2838,1513 2864.33,1539.33 R41.2
  Bottom Layer w10: v1(2172,1455) 2172,1656 2194,1678 2194,1734 U7.1@2178,1750
PB7: R42.2 U5.59 U7.2 | length 1467.9
  Top Layer w10: U5.59 2186.79,1486.21 2195,1478 v1(2195,1476) 2196.15,1476 2196.57,1476.43 2275,1398 2723,1398 2822,1497 2822,1607 2867.89,1652.89 R42.2
  Bottom Layer w10: v1(2195,1476) 2195,1566 2292,1663 U7.2
PB8: R43.2 U5.61 U6.1 | length 2230.8
  Top Layer w10: v1(1879,1486) 1879,1487.05 1914.75,1522.8 1915.8,1522.8 1918.58,1525.58 U5.61 2227.58,1525.58 2314,1612 2630,1612 2784.44,1766.44 R43.2
  Bottom Layer w10: U6.1@1030,1693 1030,1619 1046,1603 1356,1603 1496,1743 1622,1743 v1(1879,1486)
PB9: R44.2 U5.62 U6.2 | length 2127.4
  Top Layer w10: v1(1883,1531) 1884,1531 1898.27,1545.27 U5.62 2224.64,1545.27 2307.37,1628 2613,1628 2865,1880 R44.2
  Bottom Layer w10: U6.2@1130,1693 1130,1639 1149,1620 1350,1620 1489,1759 1628.63,1759 1856.63,1531 v1(1883,1531)
PB12: K2.1 R7.2 U5.33 | length 1161.2
  Top Layer w10: U5.33 1571.36,1094.64 1624,1042 2305.49,1042 2405,942.49 R7.2 K2.1
PB13: R37.2 U5.34 | length 1772.1
  Top Layer w10: U5.34 1591.05,1146.95 v1(1602,1136) ; v1(1932,868) 2002,868 2039,905 v1(2226,905) ; v1(2845,1081) 2894.89,1081 R37.2
  Bottom Layer w10: v1(1602,1136) 1602,944 1678,868 v1(1932,868) ; v1(2226,905) 2226,997 2347,1118 2646.53,1118 2683.53,1081 v1(2845,1081)
PB14: U5.35 U8.1 | length 901
  Top Layer w10: U8.1 1061,1524 1066,1519 v1(1066,1507) ; v1(1586,1274) 1589,1274 1610.73,1252.27 U5.35
  Bottom Layer w10: v1(1066,1507) 1066,1301 1062,1297 1085,1274 v1(1586,1274)
PB15: P7.6 U5.36 | length 600.6
  Top Layer w10: P7.6 1249,984 1571,1306 1609,1306 1630.42,1284.58 U5.36
PC0: R21.2 U5.8 | length 1475
  Top Layer w10: R21.2 486.44,1874.56 596,1765 851.59,1765 956.59,1870 1578,1870 1728.84,1719.16 U5.8
PC1: R22.2 U5.9 | length 1403.2
  Top Layer w10: R22.2 854.33,1745.11 963.22,1854 1571.37,1854 1709.16,1716.22 U5.9
PC2: R23.2 U5.10 | length 1434.5
  Top Layer w10: R23.2 459,1641 547.11,1729.11 860.96,1729.11 966.85,1835 1567.75,1835 1689.47,1713.27 U5.10
PC3: R24.2 U5.11 | length 1531
  Top Layer w10: R24.2 484.95,1486.22 495,1496.27 495,1654 554.11,1713.11 867.58,1713.11 973.47,1819 1561.12,1819 1669.79,1710.33 U5.11
PC4: R30.2 U5.24 | length 1474.4
  Top Layer w10: R30.2 499,839 539,879 539,1205 621,1287 1282.63,1287 1442.47,1446.84 U5.24
PC5: R31.2 U5.25 | length 1832.7
  Top Layer w10: R31.2 391,515 558,682 558,1201.37 626.63,1270 1288.25,1270 1445.41,1427.16 U5.25
PC6: R33.2 U5.37 | length 1618.7
  Top Layer w10: U5.37 1650.1,1086.06 1678.16,1058 2312.12,1058 2457,913.12 2457,369 2492,334 R33.2
PC7: R34.2 U5.38 | length 1541.2
  Top Layer w10: U5.38 1669.79,1089 1684.79,1074 2318.75,1074 2476.68,916.06 2476.68,417.32 2491,403 R34.2
PC8: R35.2 U5.39 | length 1427.8
  Top Layer w10: U5.39 1689.47,1105 1704.47,1090 2325.37,1090 2518.37,897 2881,897 2899,879 R35.2
PC9: R36.2 U5.40 | length 1343.1
  Top Layer w10: U5.40 1709.16,1115.84 1719,1106 2332,1106 2468,970 R36.2@2899,970
PC10: R38.2 U5.51 | length 1042.5
  Top Layer w10: U5.51 2010.27,1328.73 2185,1154 2763,1154 2807.67,1198.67 R38.2
PC11: R39.2 U5.52 | length 966
  Top Layer w10: U5.52 2013.21,1348.42 2047.96,1313.67 R39.2@2899,1313.67
PC12: R40.2 U5.53 | length 1001.2
  Top Layer w10: U5.53 1949.45,1366 2880,1366 2899,1385 R40.2
PC13: R20.2 U5.2 | length 1734.3
  Top Layer w10: R20.2 865,2004 964,1905 1387,1905 1453,1971 1636.43,1971 1637.51,1972.09 1800.91,1972.09 1846.95,1926.05 U5.2
PD2: B1.2 U5.54 | length 2112.5
  Top Layer w10: B1.2 651.01,1914.43 841.41,1914.43 867.85,1888 870.85,1891 v1(927,1891) ; U5.54 1869.21,1387.79 1852,1405 1852,1538.79 2027,1713.79 2027,1887 v1(2026,1888)
  Bottom Layer w10: v1(927,1891) 2023,1891 v1(2026,1888)
PWR: C1.1 C2.2 P1.2 SW1.2 U1.2 U1.7 U6.4 U7.4 | length 5445.7
  Top Layer w15: C2.2@712,1128 712,905 786,831 1041,831 1062.11,809.89 C1.1 ; v1(712,1186) 712.59,1185.41 C2.2 U1.2 U1.7 ; U6.4 1329,1682 v1(1424,1587)
  Top Layer w25: P1.2 873,603 968,698 C1.1
  Bottom Layer w15: U6.4 1329,1753 1367,1791 1871,1791 2051.5,1610.5 2051.5,1386.44 2066.44,1371.5 2166.5,1371.5 2220.5,1425.5 2220.5,1517.5 2349,1646 2445,1646 2492,1693 U7.4
  Bottom Layer w25: v1(712,1186) 632,1266 632,1511 683,1562 1399,1562 v1(1424,1587) ; P1.2 876,422 1336,422 SW1.2
Q1: D6.2 D7.1 P10.1 P12.1 U6.7 U6.8 | length 1362.5
  Top Layer w10: U6.8 U6.7 1189.77,2052.77 D6.2 1194,2090.82 P10.1
  Bottom Layer w10: P12.1 408,2199 408,2272 488,2352 1156,2352 1194,2314 P10.1
Q2: P10.6 P12.2 R10.1 U6.5 U6.6 | length 1379.7
  Top Layer w10: P12.2 379,2120 614,2120 643,2149 R10.1 694.82,2061.18 731,2025 884,2025 988,1921 1208,1921 1229,1942 U6.6 U6.5 ; R10.1@694,2150 P10.6
Q3: D8.2 D9.1 P11.1 P13.1 U7.7 U7.8 | length 1071
  Top Layer w10: U7.7 2292,2078 2319,2105 2517,2105 2561,2061 2644,2061 2654,2071 2654,2132 ; P11.1 2654,2132 ; P13.1 3070,2150 3052,2132 2654,2132
Q4: P11.6 P13.2 R11.1 U7.5 U7.6 | length 1610.4
  Top Layer w10: P11.6 2155,2248 R11.1 2155,1993 2210,1938 2359,1938 2392,1971 U7.6 U7.5
  Bottom Layer w10: P11.6 2235,2330 2830,2330 P13.2
RESET: C9.1 K1.1 R4.1 U5.7 | length 2052.5
  Top Layer w10: C9.1 500.5,741.5 501,742 v1(503,742) ; v1(665,815) 664,816 K1.1 664.18,913.18 R4.1 664.18,1029.82 591,1103 591,1189.12 637.88,1236 1312,1236 v1(1399,1323) ; v1(1748,1577) 1748,1575.06 1748.53,1574.53 U5.7
  Bottom Layer w10: v1(503,742) 592,742 v1(665,815) ; v1(1399,1323) 1653,1577 v1(1748,1577)
RXD2: U5.17
RXD3: P8.3 P18.3 U5.30 | length 4606.1
  Top Layer w10: U5.30 1548.48,1328.73 1557.75,1338 1592,1338 v1(1603,1349) ; v1(1634,2373) 1635,2374 1635,2434 1665,2464 3034,2464 3190,2308 3190,2146 3111.46,2067.46 3070.46,2067.46 2995,1992 2995,1970 2957,1932 2782,1932 P8.3
  Bottom Layer w10: v1(1603,1349) 2010.45,1349 2185.45,1174 2550.63,1174 2722,1345.37 P8.3 ; v1(1634,2373) 1634,2248 P18.3
SPI_SCLK: U5.21 U8.6 | length 326.2
  Top Layer w10: U8.6 1338,1424 1419.9,1505.9 U5.21
TXD2: P16.1 P17.1 R16.1 R17.1 U5.16 | length 5803.6
  Top Layer w10: P17.1 307,644 R16.1 407.82,686.82 v1(410,689) ; v1(1507,1716) 1563,1716 1571.36,1707.64 U5.16 ; v1(2955,706) 2954,705 R17.1 2954,533 3021,466 P16.1
  Bottom Layer w10: v1(1507,1716) 1378,1587 482,1587 408,1513 408,687 v1(410,689) 445.24,653.76 571.49,527.51 798,301 1029,301 1258,72 2282.93,72 2355.46,144.54 2355.46,209.42 2355,209.88 2355,386 2675,706 v1(2955,706)
TXD3: P8.4 P18.4 U5.29 | length 4848.9
  Top Layer w10: U5.29 1545.54,1348.42 1580.12,1383 v1(1594,1383) ; v1(1539,2365) 1654,2480 3040.63,2480 3238.82,2281.81 3238.82,2169.28 3121,2051.46 3080.92,2051.46 3011,1981.55 3011,1963.37 2963.63,1916 2698,1916 P8.4
  Bottom Layer w10: P18.4 1535,2361 v1(1539,2365) ; v1(1594,1383) 1999.08,1383 2192.08,1190 2544,1190 2672,1318 2672,1942 P8.4
VS: H1.1 P1.1 P16.2 P17.2 P18.1 S1.2 S2.2 S3.2 S4.2 S5.2 S6.2 S7.2 S8.2 S9.2 S10.2 S11.2 S12.2 S13.2 S14.2 S15.2 S16.2 S17.2 S18.2 S19.2 S20.2 S21.2 S22.2 S23.2 S24.2 | length 9046.4
  Top Layer w25: S1.2 S2.2 S3.2 S4.2 S5.2 S6.2 S7.2 S8.2 S9.2 S10.2 166,538 ; P17.2 171,543 166,538 ; P1.1 773,363 714,304 H1.1 513,182 S12.2 S11.2 292,180 166,306 166,538
  Bottom Layer w25: H1.1 714,85 766,33 2784,33 S13.2 3036,161 S14.2 3109,163 3218.94,272.94 3218.94,559 ; P18.1 1835,2309 1887,2361 3075,2361 3218.94,2217.06 S24.2 S23.2 S22.2 S21.2 S20.2 S19.2 S18.2 S17.2 S16.2 S15.2 3218.94,559 ; P16.2 3211.94,566 3218.94,559
pads on no net: SW1.3 U1.1 U1.6 U1.8 U3.0 U3.4 U4.7 U4.8 U4.9 U4.10 U4.11 U4.12 U4.13 U4.14 U4.15 U5.3 U5.4 X1.4

## Polygon pours and split planes (outlines as drawn)
GND on Bottom Layer "BGND" (solid, remove dead copper, pour order 0): -121,2673 -59,2611 -59,-79 3529,-79 3556,-106 3556,2689
GND on Top Layer "TGND" (solid, remove dead copper, pour order 2): -142,2730 -142,-168 -152,-178 3499,-178 3577,-100 3577,2678 3556,2699 3556,2730 3572,2746 3536,2782 -33,2782

## Keep-outs
Keep-Out Layer:
  lines w10: 78.74,2558.8 ccw(c78.74,2480.06) 0,2480.06 0,84.74 ccw(c85.08,84.74) 85.08,-0.34 ; 78.74,2559.06 3312.17,2559.06 ; 85.08,0 3307.09,0 ; 3307.09,0.26 ccw(c3307.09,79) 3385.83,79 3385.83,2485.56 ccw(c3312.17,2485.56) 3312.17,2559.22